# Altium PCB xialeste.PcbDoc (part 1 of 10) (continued)
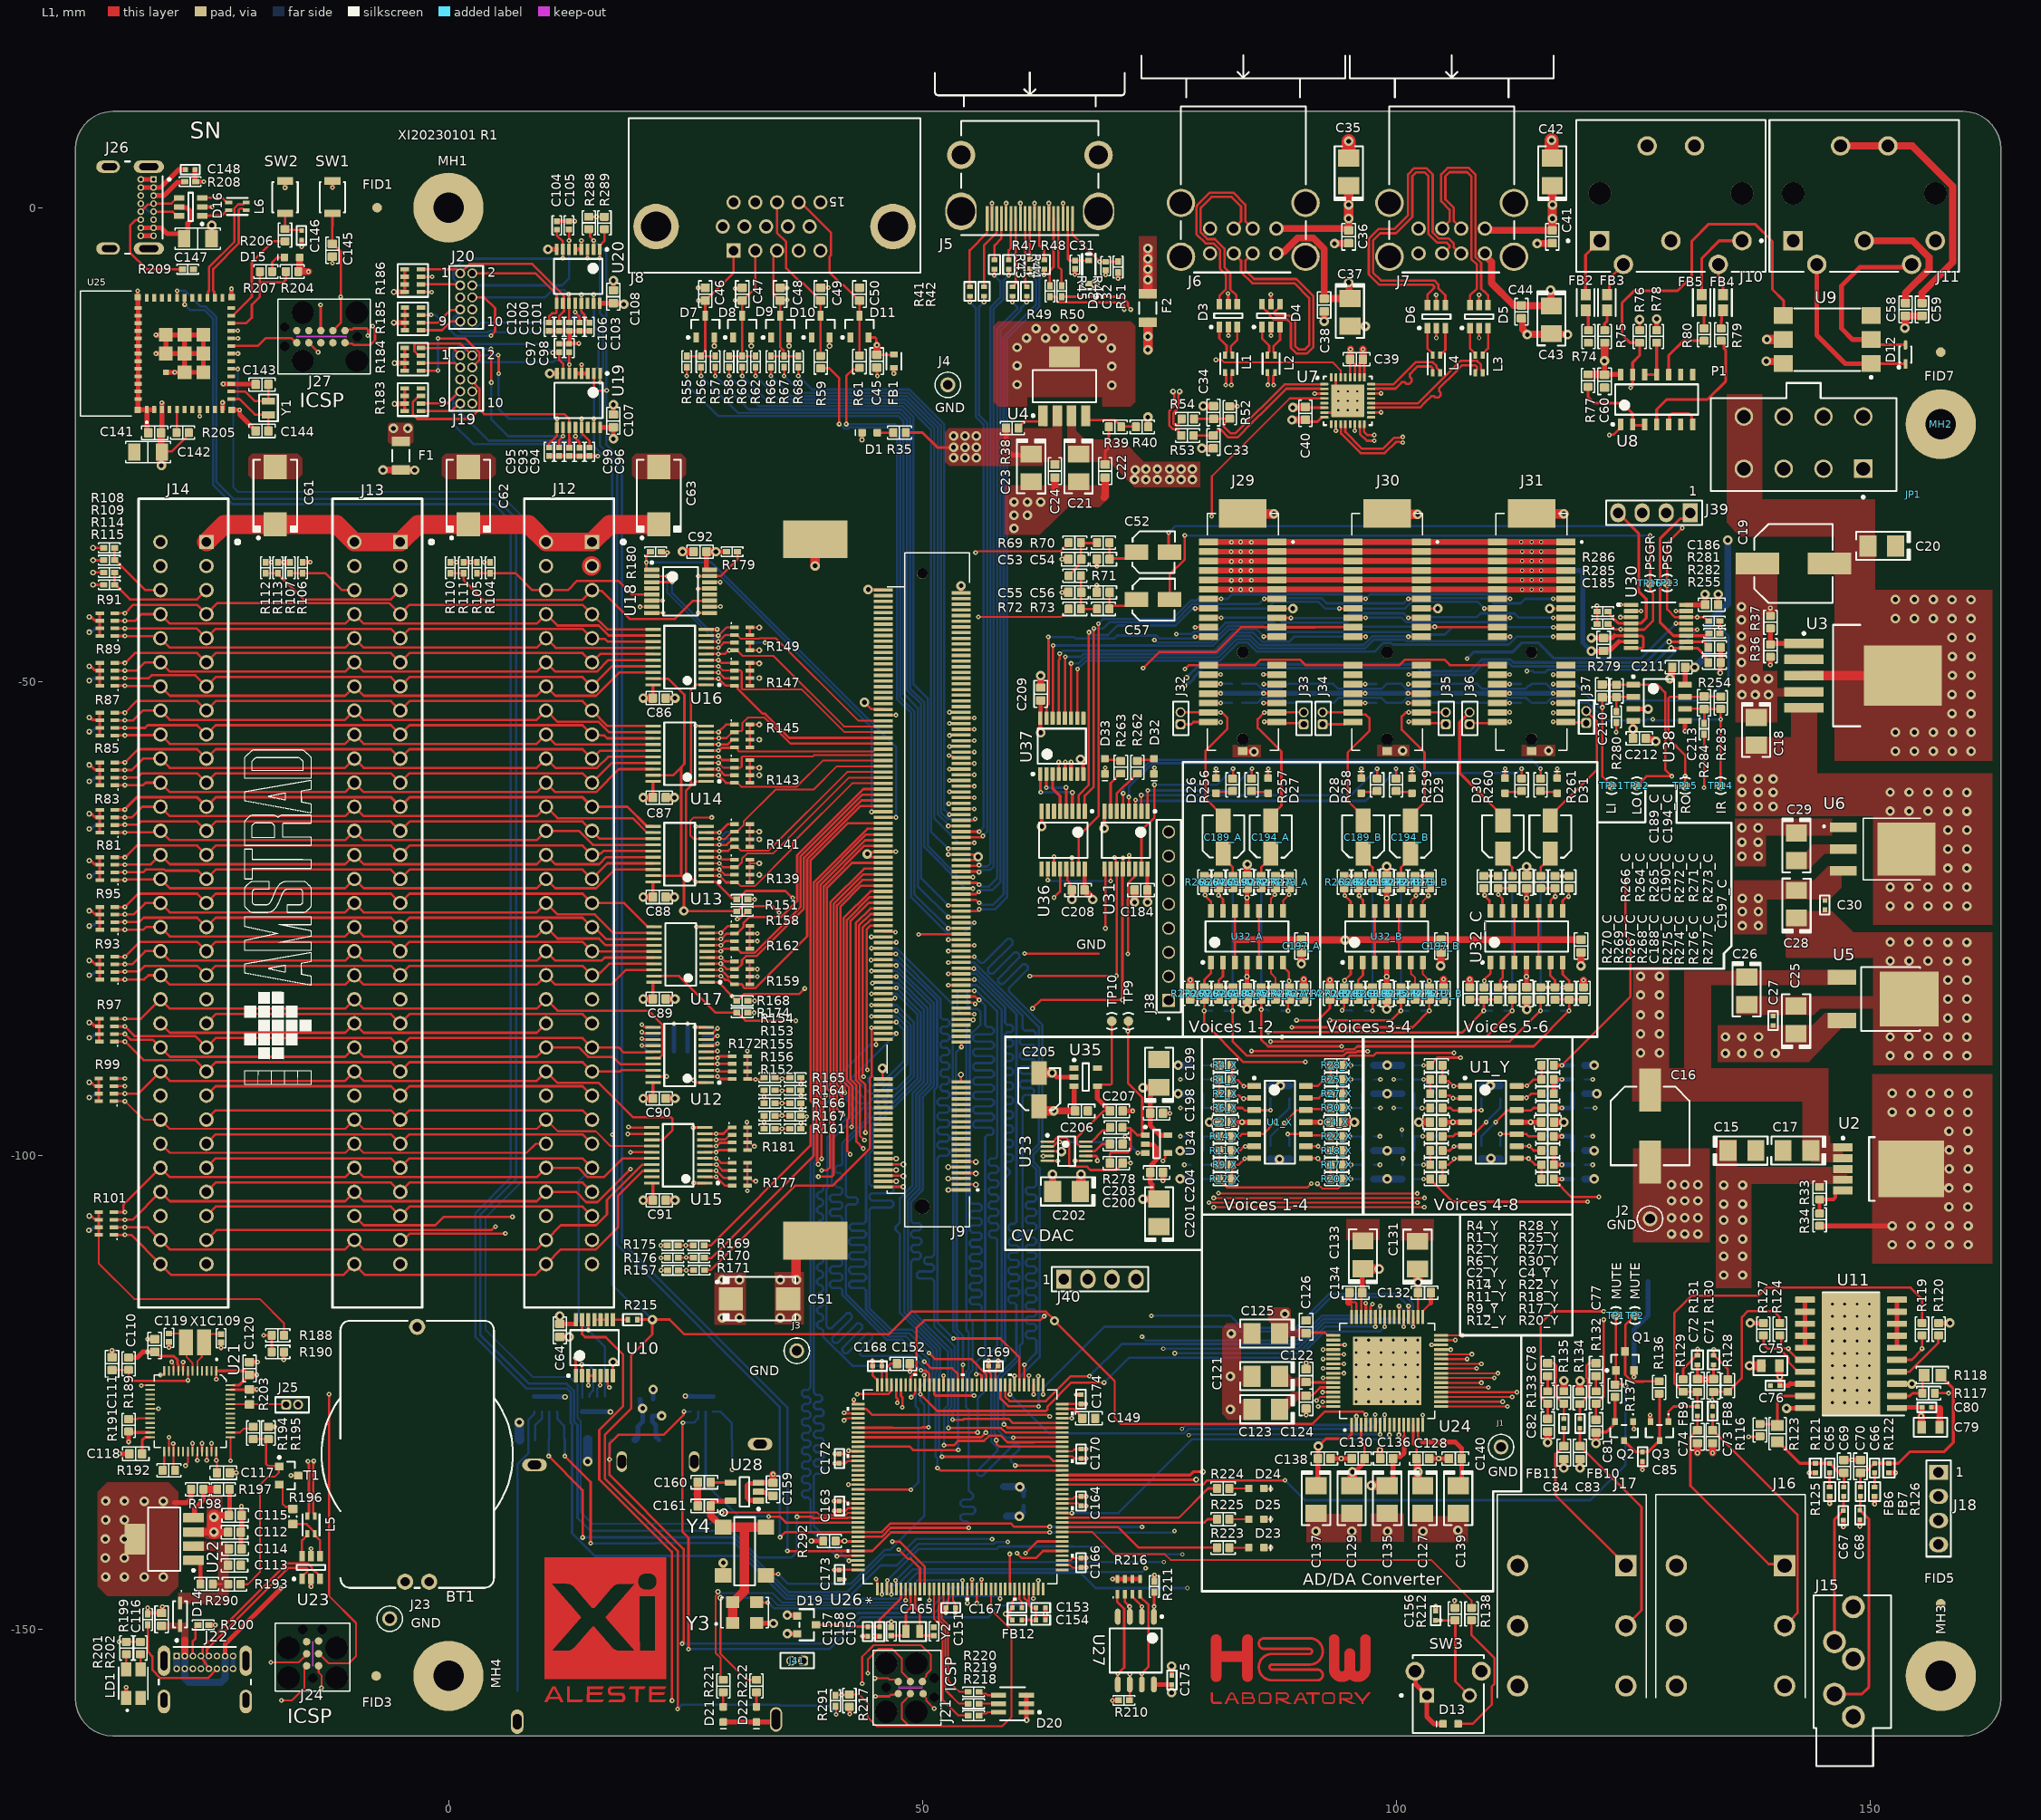
[diagram p0: L1 view]
## Design rules (kind name [scope] priority, off if disabled: settings) (continued)
RoomDefinition C_LDO_5V [InComponentClass('C_LDO_5V')] p25: confinementstyle=ConfineIn formatcopy=TRUE lockcomponents=FALSE outline 140.117,-85.204 140.117,-83.496 142.825,-83.496 142.825,-85.204
RoutingVias [All] p1: holewidth=0.2 width=0.45 viastyle="Through Hole" minholewidth=0.2 minwidth=0.45 maxholewidth=0.5 maxwidth=1
SilkToSilkClearance Silk2SilkClearance [All] p1 off: silktosilkclearance=0.15
SilkToSolderMaskClearance Silk2SolderMaskClearance [IsPad] p1 off: minsilkscreentomaskgap=0.15 clearancetoexposedcopper=TRUE
SolderMaskExpansion SolderMaskExpansion-1 [All] p1: expansion=0.05 istentingtop=FALSE // Standart
SolderMaskExpansion "SolderMaskExpansion LDI" [All] p2: expansion=0.025 istentingtop=FALSE // Advance
UnRoutedNet [All] p1: checkbadconnections=TRUE
Width DiffPair_DIFF100Width [InDifferentialPairClass('DIFF100')] p1: maxlimit=0.25 minlimit=0.2 preferedwidth=0.25 toplayer_minwidth=0.25 midlayer1_maxwidth=0.2 midlayer1_prefwidth=0.2 midlayer2_minwidth=0.25 midlayer3_maxwidth=0.2 midlayer3_prefwidth=0.2 midlayer4_maxwidth=0.2 midlayer4_prefwidth=0.2 bottomlayer_minwidth=0.25 minimp=50.000000 maximp=50.000000 favimp=50.000000
Width DiffPair_DIFF90Width [InDifferentialPairClass('DIFF90')] p2: maxlimit=0.25 minlimit=0.2 preferedwidth=0.25 toplayer_minwidth=0.25 midlayer1_maxwidth=0.2 midlayer1_prefwidth=0.2 midlayer2_minwidth=0.25 midlayer3_maxwidth=0.2 midlayer3_prefwidth=0.2 midlayer4_maxwidth=0.2 midlayer4_prefwidth=0.2 bottomlayer_minwidth=0.25 minimp=50.000000 maximp=50.000000 favimp=50.000000
Width "Width Power" [InNet('+12V') OR InNet('-12V') OR InNet('+5V') OR InNet('+3V3') OR InNet('+2V5') OR InNet('+11VA') OR InNet('-11VA') OR InNet('+5VA') OR InNet('-5VA')] p3: maxlimit=4 minlimit=0.2 preferedwidth=0.4
Width "Width Ground" [InNet('GND') Or InNet('AGND')] p4: maxlimit=40 minlimit=0.2 preferedwidth=0.4
Width [All] p5: maxlimit=2 minlimit=0.2 preferedwidth=0.25
18 further rules are at their usual default settings.

## Classes and differential pairs
net class CVnEN[1..6]: CVnEN1 CVnEN2 CVnEN3 CVnEN4 CVnEN5 CVnEN6
net class POWER: +3V3 +5V +5VA +11VA +12V -5VA -11VA -12V
net class uSPI2: SPI2_MOSI SPI2_nCS SPI2_SCK
net class uSPI1: SPI1_MOSI SPI1_nCS SPI1_SCK
net class uSAI2: SAI2_FS_A SAI2_SCK_A SAI2_SD_A SAI2_SD_B
net class uSAI1: I2S_LR I2S_SCL MCLK SAI1_SD_A SAI1_SD_B
net class uI2C2: DDC_CLK DDC_DAT
net class uI2C1: I2C1_SCL I2C1_SDA
net class uARMSWD: J_CLK J_DIO J_RST J_SWO
net class R[0..3]: R1 R2 R3
net class uQSPI: QSPI_BK_IO0 QSPI_BK_IO1 QSPI_BK_IO2 QSPI_BK_IO3 QSPI_BK_NCS QSPI_CLK
channel class dac_filter_v3: X Y
channel class adc_amp: A B C
component class Y: C1_Y C2_Y C3_Y C4_Y C5_Y C6_Y C7_Y C8_Y C9_Y C10_Y C11_Y C12_Y C13_Y C14_Y R1_Y R2_Y R3_Y R4_Y R5_Y R6_Y R7_Y R8_Y R9_Y R10_Y R11_Y R12_Y R13_Y R14_Y R15_Y R16_Y R17_Y R18_Y R19_Y R20_Y R21_Y R22_Y R23_Y R24_Y R25_Y R26_Y R27_Y R28_Y R29_Y R30_Y R31_Y R32_Y U1_Y
component class X: C1_X C2_X C3_X C4_X C5_X C6_X C7_X C8_X C9_X C10_X C11_X C12_X C13_X C14_X R1_X R2_X R3_X R4_X R5_X R6_X R7_X R8_X R9_X R10_X R11_X R12_X R13_X R14_X R15_X R16_X R17_X R18_X R19_X R20_X R21_X R22_X R23_X R24_X R25_X R26_X R27_X R28_X R29_X R30_X R31_X R32_X U1_X
component class C: C187_C C188_C C189_C C190_C C191_C C192_C C193_C C194_C C195_C C196_C C197_C R264_C R265_C R266_C R267_C R268_C R269_C R270_C R271_C R272_C R273_C R274_C R275_C R276_C R277_C U32_C
component class B: C187_B C188_B C189_B C190_B C191_B C192_B C193_B C194_B C195_B C196_B C197_B R264_B R265_B R266_B R267_B R268_B R269_B R270_B R271_B R272_B R273_B R274_B R275_B R276_B R277_B U32_B
component class A: C187_A C188_A C189_A C190_A C191_A C192_A C193_A C194_A C195_A C196_A C197_A R264_A R265_A R266_A R267_A R268_A R269_A R270_A R271_A R272_A R273_A R274_A R275_A R276_A R277_A U32_A
component class C_LDO_3.3V: C22 C23 C24 R39 U4
net class FMC_DA[0..15]: FMC_DA0 FMC_DA1 FMC_DA2 FMC_DA3 FMC_DA4 FMC_DA5 FMC_DA6 FMC_DA7 FMC_DA8 FMC_DA9 FMC_DA10 FMC_DA11 FMC_DA12 FMC_DA13 FMC_DA14 FMC_DA15
net class CVA[0..2]: CVA0 CVA1 CVA2
component class C_LDO_2.5V: C21 R38 R40 R198 R290 U22
net class BD[0..7]: BD0 BD1 BD2 BD3 BD4 BD5 BD6 BD7
net class BA[0..15]: BA0 BA1 BA2 BA3 BA4 BA5 BA6 BA7 BA8 BA9 BA10 BA11 BA12 BA13 BA14 BA15
net class DIFF90: C_STUSB_D_N C_STUSB_D_P ESP_D_CON2_N ESP_D_CON2_P ESP_D_CON_N ESP_D_CON_P S_STUSB_D_N S_STUSB_D_P STUSB_D_N STUSB_D_P USB_FS_N USB_FS_P USBD0__N USBD0__P USBD1_CON1_N USBD1_CON1_P USBD1_CON_N USBD1_CON_P USBD1_N USBD1_P USBD2_CON1_N USBD2_CON1_P USBD2_CON_N USBD2_CON_P USBD2_N USBD2_P USBD3_CON1_N USBD3_CON1_P USBD3_CON_N USBD3_CON_P USBD3_N USBD3_P USBD4_CON1_N USBD4_CON1_P USBD4_CON_N USBD4_CON_P USBD4_N USBD4_P
net class DIFF100: CON_HDIM_CK_N CON_HDIM_CK_P CON_HDIM_D0_N CON_HDIM_D0_P CON_HDIM_D1_N CON_HDIM_D1_P CON_HDIM_D2_N CON_HDIM_D2_P HDMI_CK_N HDMI_CK_P HDMI_D0_N HDMI_D0_P HDMI_D1_N HDMI_D1_P HDMI_D2_N HDMI_D2_P
net class HDMI: CON_HDIM_CK_N CON_HDIM_CK_P CON_HDIM_D0_N CON_HDIM_D0_P CON_HDIM_D1_N CON_HDIM_D1_P CON_HDIM_D2_N CON_HDIM_D2_P DDC_CLK DDC_CLK_CON DDC_DAT DDC_DAT_CON HDMI_CK_N HDMI_CK_P HDMI_D0_N HDMI_D0_P HDMI_D1_N HDMI_D1_P HDMI_D2_N HDMI_D2_P
net class USB1: USBD1_CON1_N USBD1_CON1_P USBD1_CON_N USBD1_CON_P USBD1_N USBD1_P
net class USB2: USBD2_CON1_N USBD2_CON1_P USBD2_CON_N USBD2_CON_P USBD2_N USBD2_P
net class USB3: USBD3_CON1_N USBD3_CON1_P USBD3_CON_N USBD3_CON_P USBD3_N USBD3_P
net class USB4: USBD4_CON1_N USBD4_CON1_P USBD4_CON_N USBD4_CON_P USBD4_N USBD4_P
net class G[0..3]: G1 G2 G3
net class D[0..7]: D0 D1 D2 D3 D4 D5 D6 D7 N000-14_0 N000-14_1 N000-14_2 N000-14_3 N000-14_4 N000-14_5 N000-14_6 N000-14_7
net class A[0..23]: A0 A1 A2 A3 A4 A5 A6 A7 A8 A9 A10 A11 A12 A13 A14 A15 A16 A17 A18 A19 A20 A21 A22 A23
net class cESP_USB_CON: ESP_D_CON_N ESP_D_CON_P
net class cESP_USB: ESP_D_N ESP_D_P
component class U_MIDI: C58 C59 C60 D12 FB2 FB3 FB4 FB5 J10 J11 R74 R75 R76 R77 R78 R79 R80 U8 U9
component class U_VOICES: C184 C185 C186 D26 D27 D28 D29 D30 D31 D32 D33 J29 J30 J31 J32 J33 J34 J35 J36 J37 J38 J39 R242 R243 R244 R245 R246 R247 R248 R249 R250 R251 R252 R253 R254 R255 R256 R257 R258 R259 R260 R261 R262 R263 U30 U31
component class U_EXPANSION_BUS: C61 C62 C63 C64 C156 J12 J13 J14 R81 R82 R83 R84 R85 R86 R87 R88 R89 R90 R91 R92 R93 R94 R95 R96 R97 R98 R99 R100 R101 R102 R103 R104 R105 R106 R107 R108 R109 R110 R111 R112 R113 R114 R115 R212 R215 SW3 U10
component class U_EXPANSION_DRIVERS: C86 C87 C88 C89 C90 C91 C92 R139 R140 R141 R142 R143 R144 R145 R146 R147 R148 R149 R150 R151 R152 R153 R154 R155 R156 R157 R158 R159 R160 R161 R162 R163 R164 R165 R166 R167 R168 R169 R170 R171 R172 R173 R174 R175 R176 R177 R178 R179 R180 R181 R182 R187 R287 U12 U13 U14 U15 U16 U17 U18
component class U_HDMI: C31 C32 D2 J5 R41 R42 R43 R44 R45 R46 R47 R48 R49 R50 R51
component class U_USB_HUB: C33 C34 C35 C36 C37 C38 C39 C40 C41 C42 C43 C44 D3 D4 D5 D6 J6 J7 L1 L2 L3 L4 R52 R53 R54 U7
component class U_AUDIO_CONNECTORS: C65 C66 C67 C68 C69 C70 C71 C72 C73 C74 C75 C76 C77 C78 C79 C80 C81 C82 C83 C84 C85 D13 FB6 FB7 FB8 FB9 FB10 FB11 J15 J16 J17 J18 Q1 Q2 Q3 R116 R117 R118 R119 R120 R121 R122 R123 R124 R125 R126 R127 R128 R129 R130 R131 R132 R133 R134 R135 R136 R137 R138 TP1 TP2 U11
component class U_MCU: BT1 C149 C150 C151 C152 C153 C154 C155 C157 C158 C159 C160 C161 C162 C163 C164 C165 C166 C167 C168 C169 C170 C171 C172 C173 C174 C175 D19 D20 D21 D22 D23 D24 D25 FB12 FB13 J21 J28 J41 R210 R211 R213 R214 R216 R217 R218 R219 R220 R221 R222 R223 R224 R225 R291 R292 U26 U27 U28 Y2 Y3 Y4
component class C_LDO_5V: C27 C30 C65 C66 C76 C80 C85 C146 C148 C154 C155 C156 C157 C163 C164 C165 C166 C167 C168 C169 C170 C171 C172 C173 C174 C175
component class U_ADDA: C121 C122 C123 C124 C125 C126 C127 C128 C129 C130 C131 C132 C133 C134 C135 C136 C137 C138 C139 C140 U24
component class U_MIX: C210 C211 C212 C213 R279 R280 R281 R282 R283 R284 R285 R286 TP11 TP12 TP13 TP14 TP15 TP16 U38
component class U_STLINK: C109 C110 C111 C112 C113 C114 C115 C116 C117 C118 C119 C120 D14 J22 J23 J24 J25 L5 LD1 R188 R189 R190 R191 R192 R193 R194 R195 R196 R197 R198 R199 R200 R201 R202 R203 R290 T1 U21 U22 U23 X X1
component class U_CVDAC: C198 C199 C200 C201 C202 C203 C204 C205 C206 C207 C208 C209 J40 R278 TP9 TP10 U33 U34 U35 U36 U37
net class DAC[1..6]: DAC1 DAC2 DAC3 DAC4 DAC5 DAC6
net class VIN[1..6]: VIN1 VIN2 VIN3 VIN4 VIN5 VIN6
component class U_WIFI: C141 C142 C143 C144 C145 C146 C147 C148 D15 D16 J26 J27 L6 R204 R205 R206 R207 R208 R209 SW1 SW2 U25 Y1
component class U_JOYSTICKS: C93 C94 C95 C96 C97 C98 C99 C100 C101 C102 C103 C104 C105 C106 C107 C108 J19 J20 R183 R184 R185 R186 R288 R289 U19 U20
component class U_VGA: C45 C46 C47 C48 C49 C50 D7 D8 D9 D10 D11 FB1 J8 R55 R56 R57 R58 R59 R60 R61 R62 R63 R64 R65 R66 R67 R68
component class C_UHUB: U7
net class uFMC: FMC_DA0 FMC_DA1 FMC_DA2 FMC_DA3 FMC_DA4 FMC_DA5 FMC_DA6 FMC_DA7 FMC_DA8 FMC_DA9 FMC_DA10 FMC_DA11 FMC_DA12 FMC_DA13 FMC_DA14 FMC_DA15 FMC_NBL0 FMC_NBL1 FMC_NE1 FMC_NE2 FMC_NE3 FMC_NE4 FMC_NL FMC_NOE FMC_NWAIT FMC_NWE
net class STLINK: C_STUSB_D_N C_STUSB_D_P
net class USB0: S_STUSB_D_N S_STUSB_D_P STUSB_D_N STUSB_D_P USB_FS_N USB_FS_P USBD0__N USBD0__P
net class uSD: SD_CD SD_WP SDMMC2_CLK SDMMC2_CMD SDMMC2_D0 SDMMC2_D1 SDMMC2_D2 SDMMC2_D3
component class U_FPGA: C51 C52 C53 C54 C55 C56 C57 J9 R69 R70 R71 R72 R73
net class B[0..3]: B1 B2 B3
differential pair class DIFF90: C_STUSB_D ESP_D ESP_D_CON ESP_D_CON2 S_STUSB_D STUSB_D USB_FS USBD0_ USBD1 USBD1_CON USBD1_CON1 USBD2 USBD2_CON USBD2_CON1 USBD3 USBD3_CON USBD3_CON1 USBD4 USBD4_CON USBD4_CON1
differential pair USBD3_CON1: +USBD3_CON1_P -USBD3_CON1_N
differential pair CON_HDIM_D2: +CON_HDIM_D2_P -CON_HDIM_D2_N
differential pair CON_HDIM_D1: +CON_HDIM_D1_P -CON_HDIM_D1_N
differential pair CON_HDIM_D0: +CON_HDIM_D0_P -CON_HDIM_D0_N
differential pair CON_HDIM_CK: +CON_HDIM_CK_P -CON_HDIM_CK_N
differential pair USB_FS: +USB_FS_P -USB_FS_N
differential pair HDMI_D0: +HDMI_D0_P -HDMI_D0_N
differential pair HDMI_D1: +HDMI_D1_P -HDMI_D1_N
differential pair HDMI_D2: +HDMI_D2_P -HDMI_D2_N
differential pair ESP_D_CON: +ESP_D_CON_P -ESP_D_CON_N
differential pair ESP_D: +ESP_D_P -ESP_D_N
differential pair HDMI_CK: +HDMI_CK_P -HDMI_CK_N
differential pair USBD1_CON: +USBD1_CON_P -USBD1_CON_N
differential pair USBD2_CON: +USBD2_CON_P -USBD2_CON_N
differential pair USBD3_CON: +USBD3_CON_P -USBD3_CON_N
differential pair USBD4_CON: +USBD4_CON_P -USBD4_CON_N
differential pair ESP_D_CON2: +ESP_D_CON2_P -ESP_D_CON2_N
differential pair USBD0_: +USBD0__P -USBD0__N
differential pair USBD1: +USBD1_P -USBD1_N
differential pair USBD2: +USBD2_P -USBD2_N
differential pair USBD3: +USBD3_P -USBD3_N
differential pair USBD4: +USBD4_P -USBD4_N
differential pair C_STUSB_D: +C_STUSB_D_P -C_STUSB_D_N
differential pair S_STUSB_D: +S_STUSB_D_P -S_STUSB_D_N
differential pair STUSB_D: +STUSB_D_P -STUSB_D_N
differential pair USBD1_CON1: +USBD1_CON1_P -USBD1_CON1_N
differential pair USBD2_CON1: +USBD2_CON1_P -USBD2_CON1_N
differential pair USBD4_CON1: +USBD4_CON1_P -USBD4_CON1_N

## Components (designator, comment, footprint, x,y, rotation, side; value= is the part's Value field where it differs from the comment)
BT1 "BA2032" BA2032 -3.3,-118.1 r270 top locked
C1_X "330 pF" "CAP 0603_1608" 85.015,-93.334 r90 bottom (schematic designator C1)
C1_Y "330 pF" "CAP 0603_1608" 107.265,-93.334 r90 bottom (schematic designator C1)
C2_X "0.1 µF" "CAP 0603_1608" 82,-96.5 r180 top (schematic designator C2)
C2_Y "0.1 µF" "CAP 0603_1608" 104.25,-96.5 r180 top (schematic designator C2)
C3_X "1500 pF" "CAP 0805_2012" 82,-94.25 r270 bottom (schematic designator C3)
C3_Y "1500 pF" "CAP 0805_2012" 104.25,-94.25 r270 bottom (schematic designator C3)
C4_X "0.1 µF" "CAP 0603_1608" 93.75,-96.5 r0 top (schematic designator C4)
C4_Y "0.1 µF" "CAP 0603_1608" 116,-96.5 r0 top (schematic designator C4)
C5_X "330 pF" "CAP 0603_1608" 86.765,-93.334 r270 bottom (schematic designator C5)
C5_Y "330 pF" "CAP 0603_1608" 109.015,-93.334 r270 bottom (schematic designator C5)
C6_X "330 pF" "CAP 0603_1608" 85,-99.668 r270 bottom (schematic designator C6)
C6_Y "330 pF" "CAP 0603_1608" 107.25,-99.668 r270 bottom (schematic designator C6)
C7_X "1500 pF" "CAP 0805_2012" 82,-98.75 r90 bottom (schematic designator C7)
C7_Y "1500 pF" "CAP 0805_2012" 104.25,-98.75 r90 bottom (schematic designator C7)
C8_X "330 pF" "CAP 0603_1608" 88.765,-93.334 r270 bottom (schematic designator C8)
C8_Y "330 pF" "CAP 0603_1608" 111.015,-93.334 r270 bottom (schematic designator C8)
C9_X "330 pF" "CAP 0603_1608" 90.5,-99.668 r270 bottom (schematic designator C9)
C9_Y "330 pF" "CAP 0603_1608" 112.75,-99.668 r270 bottom (schematic designator C9)
C10_X "1500 pF" "CAP 0805_2012" 93.75,-98.75 r90 bottom (schematic designator C10)
C10_Y "1500 pF" "CAP 0805_2012" 116,-98.75 r90 bottom (schematic designator C10)
C11_X "330 pF" "CAP 0603_1608" 88.75,-99.668 r90 bottom (schematic designator C11)
C11_Y "330 pF" "CAP 0603_1608" 111,-99.668 r90 bottom (schematic designator C11)
C12_X "330 pF" "CAP 0603_1608" 90.515,-93.334 r90 bottom (schematic designator C12)
C12_Y "330 pF" "CAP 0603_1608" 112.765,-93.334 r90 bottom (schematic designator C12)
C13_X "1500 pF" "CAP 0805_2012" 93.75,-94.25 r270 bottom (schematic designator C13)
C13_Y "1500 pF" "CAP 0805_2012" 116,-94.5 r270 bottom (schematic designator C13)
C14_X "330 pF" "CAP 0603_1608" 86.75,-99.668 r90 bottom (schematic designator C14)
C14_Y "330 pF" "CAP 0603_1608" 109,-99.668 r90 bottom (schematic designator C14)
C15 "2.2 µF" "CAP POL 1411_3528" 136.5,-99.5 r0 top
C16 "47µF" "CAP ALSMD 8.3MM H10.5MM" 126.8,-96.9 r270 top locked
C17 "2.2 µF" "CAP POL 1411_3528" 142.3,-99.5 r180 top
C18 "2.2 µF" "CAP POL 1411_3528" 138,-55.26 r270 top
C19 "47µF" "CAP ALSMD 8.3MM H10.5MM" 141.93,-37.55 r0 top
C20 "2.2 µF" "CAP POL 1411_3528" 151.26,-35.7 r180 top
C21 "22 µF" "CAP POL 1411_3528" 66.5,-27.46 r270 top
C22 "0.1 µF" "CAP 0603_1608" 69.3,-27.8 r90 top
C23 "10 µF" "CAP POL 1411_3528" 61.5,-27.46 r270 top
C24 "10000 pF" "CAP 0603_1608" 64,-27.8 r90 top
C25 "2.2 µF" "CAP POL 1411_3528" 142.2,-85.7 r90 top
C26 "2.2 µF" "CAP POL 1411_3528" 137,-82.64 r270 top
C27 "100n" C0402 139.775,-85.8 r90 top value=100nF
C28 "2.2 µF" "CAP POL 1411_3528" 142.25,-73.5 r90 top
C29 "2.2 µF" "CAP POL 1411_3528" 142.25,-67.46 r270 top
C30 "100n" C0402 145.249,-73.6 r270 top value=100nF
C31 "0.1 µF" "CAP 0402_1005" 66.111,-6.026 r90 top
C32 "0.1 µF" "CAP 0402_1005" 69.361,-6.156 r90 top
C33 "100 pF" "CAP 0603_1608" 80.716,-24.728 r90 top
C34 "100 pF" "CAP 0603_1608" 80.737,-21.622 r270 top
C35 "100 µF" "CAP POL 1411_3528" 94.991,3.768 r90 top
C36 "0.1 µF" "CAP 0603_1608" 94.995,-3.075 r90 top
C37 "100 µF" "CAP POL 1411_3528" 95.136,-11.05 r270 top
C38 "0.1 µF" "CAP 0603_1608" 92.41,-10.278 r90 top
C39 "0.1 µF" "CAP 0603_1608" 95.825,-16 r0 top
C40 "0.1 µF" "CAP 0603_1608" 90.431,-21.708 r90 top
C41 "0.1 µF" "CAP 0603_1608" 116.48,-3.075 r90 top
C42 "100 µF" "CAP POL 1411_3528" 116.48,3.768 r90 top
C43 "100 µF" "CAP POL 1411_3528" 116.393,-11.836 r270 top
C44 "0.1 µF" "CAP 0603_1608" 113.221,-10.989 r90 top
C45 "0.1 µF" "CAP 0603_1608" 45.2,-16.2 r90 top
C46 "5.1pF" "CAP 0603_1608" 27.1,-9.125 r270 top
C47 "5.1pF" "CAP 0603_1608" 31,-9.125 r270 top
C48 "5.1pF" "CAP 0603_1608" 35,-9.125 r270 top
C49 "5.1pF" "CAP 0603_1608" 39.275,-9.125 r270 top
C50 "5.1pF" "CAP 0603_1608" 43.375,-9.125 r270 top
C51 "330 µF" "CAP POL 2917_7343" 32.812,-115.137 r0 top locked
C52 "10µF" "CAP ALSMD POLY 4.3MM H5.5MM" 74.35,-36.35 r0 top
C53 "10000 pF" "CAP 0603_1608" 66.1,-37.1 r0 top
C54 "10000 pF" "CAP 0603_1608" 69.1,-37.1 r0 top
C55 "10000 pF" "CAP 0603_1608" 66.1,-40.6 r180 top
C56 "10000 pF" "CAP 0603_1608" 69.1,-40.6 r180 top
C57 "10µF" "CAP ALSMD POLY 4.3MM H5.5MM" 74.35,-41.35 r0 top locked
C58 "0.1 µF" "CAP 0603_1608" 153.75,-10.75 r270 top
C59 "0.1 µF" "CAP 0603_1608" 155.5,-10.75 r270 top
C60 "0.1 µF" "CAP 0603_1608" 122,-18.325 r90 top
C61 "330 µF" "CAP POL 2917_7343" -18.28,-30.4 r90 top
C62 "330 µF" "CAP POL 2917_7343" 2.1,-30.4 r90 top
C63 "330 µF" "CAP POL 2917_7343" 22.2,-30.4 r90 top
C64 "0.1 µF" "CAP 0603_1608" 11.75,-118.475 r270 top
C65 "100n" C0402 145.75,-133 r270 top value=100nF
C66 "100n" C0402 150.5,-133 r270 top value=100nF
C67 "270pF" C0402 147.2,-138 r270 top
C68 "270pF" C0402 148.944,-137.956 r270 top
C69 "100 pF" "CAP 0603_1608" 147.25,-132.825 r270 top
C70 "100 pF" "CAP 0603_1608" 149,-132.825 r270 top
C71 "2700 pF" "CAP 0603_1608" 133.5,-124.3 r270 top
C72 "2700 pF" "CAP 0603_1608" 131.8,-124.3 r270 top
C73 "270 pF" "CAP 0603_1608" 133.4,-129.7 r90 top
C74 "270 pF" "CAP 0603_1608" 131.8,-129.7 r90 top
C75 "22u" C0805 139.5,-122.2 r180 top
C76 "100n" C0402 140,-124.3 r180 top value=100nF
C77 "1µF" "CAP 0603_1608" 121.1,-122.625 r270 top
C78 "1µF" "CAP 0603_1608" 116,-122.625 r270 top
C79 "22u" C0805 156.4,-128.7 r180 top
C80 "100n" C0402 156,-126.6 r180 top value=100nF
C81 "2700 pF" "CAP 0603_1608" 121.1,-128.575 r90 top
C82 "2700 pF" "CAP 0603_1608" 116,-128.475 r90 top
C83 "270 pF" "CAP 0603_1608" 119.4,-131.375 r90 top
C84 "270 pF" "CAP 0603_1608" 117.7,-131.375 r90 top
C85 "100n" C0402 126,-131.8 r90 top value=100nF
C86 "0.1 µF" "CAP 0603_1608" 22.25,-51.75 r0 top
C87 "0.1 µF" "CAP 0603_1608" 22.25,-62.25 r0 top
C88 "0.1 µF" "CAP 0603_1608" 22.25,-72.75 r0 top
C89 "0.1 µF" "CAP 0603_1608" 22.25,-83.5 r0 top
C90 "0.1 µF" "CAP 0603_1608" 22.25,-94 r0 top
C91 "0.1 µF" "CAP 0603_1608" 22.25,-104.75 r0 top
C92 "0.1 µF" "CAP 0603_1608" 26.55,-36.309 r180 top
C93 "1000 pF" "CAP 0402_1005" 11.692,-25.762 r90 top
C94 "1000 pF" "CAP 0402_1005" 12.759,-25.77 r90 top
C95 "1000 pF" "CAP 0402_1005" 10.618,-25.762 r90 top
C96 "1000 pF" "CAP 0402_1005" 14.897,-25.765 r90 top
C97 "1000 pF" "CAP 0402_1005" 11.682,-14.812 r270 top
C98 "1000 pF" "CAP 0402_1005" 12.741,-14.813 r270 top
C99 "1000 pF" "CAP 0402_1005" 13.828,-25.772 r90 top
C100 "1000 pF" "CAP 0402_1005" 11.681,-12.567 r90 top
C101 "1000 pF" "CAP 0402_1005" 12.758,-12.567 r90 top
C102 "1000 pF" "CAP 0402_1005" 10.616,-12.565 r90 top
C103 "1000 pF" "CAP 0402_1005" 14.883,-12.577 r90 top
C104 "1000 pF" "CAP 0402_1005" 11.44,-1.878 r270 top
C105 "1000 pF" "CAP 0402_1005" 12.715,-1.87 r270 top
C106 "1000 pF" "CAP 0402_1005" 13.825,-12.567 r90 top
C107 "0.1 µF" "CAP 0603_1608" 17.4,-22.5 r270 top
C108 "0.1 µF" "CAP 0603_1608" 17.4,-9.4 r270 top
C109 "18 pF" "CAP 0402_1005" -24,-119.31 r270 top
C110 "18 pF" "CAP 0402_1005" -29.5,-119.25 r270 top
C111 "0.1 µF" "CAP 0603_1608" -35.5,-122 r90 top
C112 "0.1 µF" "CAP 0603_1608" -22.575,-139.775 r180 top
C113 "1µF" "CAP 0603_1608" -22.575,-143.275 r180 top
C114 "0.1 µF" "CAP 0603_1608" -22.5,-141.525 r180 top
C115 "1µF" "CAP 0603_1608" -22.5,-138 r0 top
C116 "0.1 µF" "CAP 0603_1608" -30.275,-148.976 r270 top
C117 "0.1 µF" "CAP 0603_1608" -23.75,-133.5 r180 top
C118 "0.1 µF" "CAP 0603_1608" -33,-131.5 r0 top
C119 "0.1 µF" "CAP 0603_1608" -31,-120.075 r270 top
C120 "0.1 µF" "CAP 0603_1608" -21,-122.5 r270 top
C121 "2.2 µF" "CAP POL 1411_3528" 86.237,-123.311 r180 top
C122 "0.1 µF" "CAP 0603_1608" 90.5,-123.25 r90 top
C123 "2.2 µF" "CAP POL 1411_3528" 86.237,-126.811 r180 top
C124 "0.1 µF" "CAP 0603_1608" 90.5,-126.061 r270 top
C125 "2.2 µF" "CAP POL 1411_3528" 86.237,-118.811 r180 top
C126 "0.1 µF" "CAP 0603_1608" 90.5,-118.1 r90 top
C127 "2.2 µF" "CAP POL 1411_3528" 102.815,-136.336 r270 top
C128 "0.1 µF" "CAP 0603_1608" 102.825,-132 r0 top
C129 "2.2 µF" "CAP POL 1411_3528" 95.315,-136.336 r270 top
C130 "0.1 µF" "CAP 0603_1608" 96,-132 r180 top
C131 "2.2 µF" "CAP POL 1411_3528" 102.25,-110.54 r90 top
C132 "0.1 µF" "CAP 0603_1608" 103,-114.5 r0 top
C133 "2.2 µF" "CAP POL 1411_3528" 96.5,-110.5 r90 top
C134 "0.1 µF" "CAP 0603_1608" 95.75,-114.5 r180 top
C135 "2.2 µF" "CAP POL 1411_3528" 99.065,-136.336 r270 top
C136 "0.1 µF" "CAP 0603_1608" 99,-132 r180 top
C137 "2.2 µF" "CAP POL 1411_3528" 91.565,-136.336 r270 top
C138 "0.1 µF" "CAP 0603_1608" 92.425,-132 r0 top
C139 "2.2 µF" "CAP POL 1411_3528" 106.565,-136.336 r270 top
C140 "0.1 µF" "CAP 0603_1608" 106.25,-132 r180 top
C141 "0.1 µF" "CAP 0603_1608" -31,-23.757 r180 top
C142 "10 µF" "CAP 1206_3216 - 0.8MM" -31.7,-25.8 r0 top
C143 "12 pF" "CAP 0603_1608" -19.675,-18.665 r0 top
C144 "12 pF" "CAP 0603_1608" -19.675,-23.565 r0 top
C145 "1 µF" "CAP 0603_1608" -12.25,-4.5 r90 top
C146 "100n" C0402 -15.5,-2.923 r270 top value=100nF
C147 "10 µF" "CAP 1206_3216 - 0.8MM" -26.455,-3.284 r180 top
C148 "100n" C0402 -27.25,4 r0 top value=100nF
C149 "2.2 µF" "CAP 0603_1608" 67.575,-127.75 r180 top
C150 "10pF" "CAP 0402_1005" 46.725,-150.25 r270 top
C151 "10pF" "CAP 0402_1005" 51.225,-150.25 r270 top
C152 "2.2 µF" "CAP 0603_1608" 48,-122 r0 top
C153 "1u" C0402 62.5,-147.75 r0 top value=1uF
C154 "100n" C0402 62.5,-149.05 r0 top value=100nF
C155 "100n" C0402 21,-127.5 r0 bottom value=100nF
C156 "100n" C0402 104.177,-148.595 r90 top value=100nF
C157 "100n" C0402 44.25,-150.25 r270 top value=100nF
C158 "1u" C0402 45.5,-150.25 r270 top value=1uF
C159 "1µF" "CAP 0603_1608" 34.25,-135.25 r90 top
C160 "10000 pF" "CAP 0603_1608" 27,-134.5 r0 top
C161 "2.2 µF" "CAP 0603_1608" 27,-137 r0 top
C162 "10uF" C1206 58.6,-136.5 r270 bottom
C163 "100n" C0402 41.25,-137 r90 top value=100nF
C164 "100n" C0402 66.75,-136.5 r270 top value=100nF
C165 "100n" C0402 53,-147.75 r180 top value=100nF
C166 "100n" C0402 66.75,-143 r270 top value=100nF
C167 "100n" C0402 60,-147.75 r0 top value=100nF
C168 "100n" C0402 45.25,-122.25 r0 top value=100nF
C169 "100n" C0402 57.5,-122.25 r0 top value=100nF
C170 "100n" C0402 66.75,-131.5 r270 top value=100nF
C171 "100n" C0402 60.7,-136.5 r270 bottom value=100nF
C172 "100n" C0402 41.25,-132 r90 top value=100nF
C173 "100n" C0402 41.25,-144.25 r270 top locked value=100nF
C174 "100n" C0402 66.75,-125.75 r90 top value=100nF
C175 "100n" C0402 76.335,-155.361 r90 top value=100nF
C184 "0.1 µF" "CAP 0603_1608" 73.075,-72 r180 top
C185 "0.1 µF" "CAP 0603_1608" 121.9,-46.1 r90 top
C186 "0.1 µF" "CAP 0603_1608" 133.3,-41.9 r0 top
C187_A "2200 pF" "CAP 0603_1608" 80.517,-71.672 r180 bottom (schematic designator C187)
C187_B "2200 pF" "CAP 0603_1608" 95.267,-71.672 r180 bottom (schematic designator C187)
C187_C "2200 pF" "CAP 0603_1608" 110.017,-71.672 r180 bottom (schematic designator C187)
C188_A "0.1 µF" "CAP 0603_1608" 84.267,-82.922 r270 top (schematic designator C188)
C188_B "0.1 µF" "CAP 0603_1608" 99.017,-82.922 r270 top (schematic designator C188)
C188_C "0.1 µF" "CAP 0603_1608" 113.767,-82.922 r270 top (schematic designator C188)
C189_A "10µF" "CAP ALSMD POLY 4.3MM H5.5MM" 81.767,-66.422 r90 top (schematic designator C189)
C189_B "10µF" "CAP ALSMD POLY 4.3MM H5.5MM" 96.517,-66.422 r90 top (schematic designator C189)
C189_C "10µF" "CAP ALSMD POLY 4.3MM H5.5MM" 111.267,-66.422 r90 top (schematic designator C189)
C190_A "0.1 µF" "CAP 0603_1608" 84.267,-71.172 r90 top (schematic designator C190)
C190_B "0.1 µF" "CAP 0603_1608" 99.017,-71.172 r90 top (schematic designator C190)
C190_C "0.1 µF" "CAP 0603_1608" 113.767,-71.172 r90 top (schematic designator C190)
C191_A "10000 pF" "CAP 0603_1608" 81.25,-84.75 r180 bottom (schematic designator C191)
C191_B "10000 pF" "CAP 0603_1608" 96,-84.75 r180 bottom (schematic designator C191)
C191_C "10000 pF" "CAP 0603_1608" 110.75,-84.75 r180 bottom (schematic designator C191)
C192_A "22pF" "CAP 0603_1608" 81.25,-83.25 r180 bottom (schematic designator C192)
C192_B "22pF" "CAP 0603_1608" 96,-83.25 r180 bottom (schematic designator C192)
C192_C "22pF" "CAP 0603_1608" 110.75,-83.25 r180 bottom (schematic designator C192)
C193_A "2200 pF" "CAP 0603_1608" 88.017,-71.672 r0 bottom (schematic designator C193)
C193_B "2200 pF" "CAP 0603_1608" 102.767,-71.672 r0 bottom (schematic designator C193)
C193_C "2200 pF" "CAP 0603_1608" 117.517,-71.672 r0 bottom (schematic designator C193)
C194_A "10µF" "CAP ALSMD POLY 4.3MM H5.5MM" 86.767,-66.422 r90 top (schematic designator C194)
C194_B "10µF" "CAP ALSMD POLY 4.3MM H5.5MM" 101.517,-66.422 r90 top (schematic designator C194)
C194_C "10µF" "CAP ALSMD POLY 4.3MM H5.5MM" 116.267,-66.422 r90 top (schematic designator C194)
C195_A "10000 pF" "CAP 0603_1608" 87.25,-84.75 r0 bottom (schematic designator C195)
C195_B "10000 pF" "CAP 0603_1608" 102,-84.75 r0 bottom (schematic designator C195)
C195_C "10000 pF" "CAP 0603_1608" 116.75,-84.75 r0 bottom (schematic designator C195)
C196_A "22pF" "CAP 0603_1608" 87.25,-83.25 r0 bottom (schematic designator C196)
C196_B "22pF" "CAP 0603_1608" 102,-83.25 r0 bottom (schematic designator C196)
C196_C "22pF" "CAP 0603_1608" 116.75,-83.25 r0 bottom (schematic designator C196)
C197_A "0.1 µF" "CAP 0603_1608" 90.017,-77.922 r90 top (schematic designator C197)
C197_B "0.1 µF" "CAP 0603_1608" 104.767,-77.922 r90 top (schematic designator C197)
C197_C "0.1 µF" "CAP 0603_1608" 119.517,-77.922 r90 top (schematic designator C197)
C198 "0.1 µF" "CAP 0603_1608" 74.727,-95.572 r180 top
C199 "10 µF" "CAP POL 1411_3528" 74.977,-91.362 r90 top
C200 "4.7 pF" "CAP 0603_1608" 70.477,-100.822 r180 top
C201 "10 µF" "CAP POL 1411_3528" 74.977,-106.072 r90 top
C202 "10 µF" "CAP POL 1411_3528" 65.227,-103.822 r180 top
C203 "0.1 µF" "CAP 0603_1608" 70.477,-98.823 r180 top
C204 "0.1 µF" "CAP 0603_1608" 74.727,-101.822 r180 top
C205 "10µF" "CAP ALSMD POLY 4.3MM H5.5MM" 62.336,-93.084 r90 top
C206 "0.1 µF" "CAP 0603_1608" 66.802,-95.322 r180 top
C207 "0.1 µF" "CAP 0603_1608" 70.477,-95.322 r180 top
C208 "0.1 µF" "CAP 0603_1608" 66.447,-72 r0 top
C209 "0.1 µF" "CAP 0603_1608" 62.5,-51.322 r90 top
C210 "47 pF" "CAP 0603_1608" 121.75,-51 r90 top
C211 "0.1 µF" "CAP 0603_1608" 129.825,-48.5 r180 top
C212 "0.1 µF" "CAP 0603_1608" 125.675,-56 r0 top
C213 "47 pF" "CAP 0603_1608" 132.5,-52.25 r90 top
D1 "150060SS75000" 0603_A 44.45,-23.75 r0 top
D2 "BAT54HT1G" SOD323 67.561,-6.805 r270 top
D3 "USBLC6-2SC6" SOT23-6L 82.3,-11.4 r90 top
D4 "USBLC6-2SC6" SOT23-6L 86.8,-11.4 r90 top
D5 "USBLC6-2SC6" SOT23-6L 108.75,-11.5 r90 top
D6 "USBLC6-2SC6" SOT23-6L 104.25,-11.5 r90 top
D7 "BAV99" INF-SOT23_N 27.1,-12.55 r90 top
D8 "BAV99" INF-SOT23_N 31,-12.55 r90 top
D9 "BAV99" INF-SOT23_N 35,-12.55 r90 top
D10 "BAV99" INF-SOT23_N 39.275,-12.55 r90 top
D11 "BAV99" INF-SOT23_N 43.375,-12.55 r90 top
D12 "1N4148WS" FP-477AB-IPC_C 153.75,-15.5 r90 top
D13 "150060SS75000" 0603_A 105.75,-160 r0 top
D14 "BAT60JFILM" SOD-323 -28.318,-148.437 r90 top
D15 "150060SS75000" 0603_A -16.5,-5.248 r0 top
D16 "USBLC6-2SC6" SOT23-6L -27.2,0.075 r180 top
D19 "BAT54C-7-F" SOT-23-3-123 37.799,-149.543 r0 top
D20 "ASMT-YTD7-0AA02" FP-PLCC-6-MFG 59.523,-157.875 r180 top
D21 "150060SS75000" 0603_A 29,-159 r90 top
D22 "150060SS75000" 0603_A 32.5,-159 r90 top
D23 "150060SS75000" 0603_A 85.25,-141.4 r180 top
D24 "150060SS75000" 0603_A 85.25,-135.15 r180 top
D25 "150060SS75000" 0603_A 85.25,-138.4 r180 top
D26 "150060SS75000" 0603_A 81,-61 r270 top
D27 "150060SS75000" 0603_A 86.5,-61 r270 top
D28 "150060SS75000" 0603_A 96.325,-61 r270 top
D29 "150060SS75000" 0603_A 101.676,-61 r270 top
D30 "150060SS75000" 0603_A 111.5,-61 r270 top
D31 "150060SS75000" 0603_A 117,-61 r270 top
D32 "150060SS75000" 0603_A 74.45,-58.955 r90 top
D33 "150060SS75000" 0603_A 69.275,-58.955 r90 top
F1 "0ZCJ0020FF2E" FP-0ZCJ-MFG -5.025,-26.175 r90 top
F2 "0ZCJ0050FF2G" FP-0ZCJ0050FF2G-MFG 73.8,-10.6 r90 top
FB1 "MPZ1608S601ATA00" FP-MPZ1608-0_8-MFG 47,-16.2 r270 top
FB2 "MMZ1608Y102BTA00" FP-MMZ1608-0_8-IPC_A 120,-10 r90 top
FB3 "MMZ1608Y102BTA00" FP-MMZ1608-0_8-IPC_A 122.25,-10 r90 top
FB4 "MMZ1608Y102BTA00" FP-MMZ1608-0_8-IPC_A 134.5,-10 r90 top
FB5 "MMZ1608Y102BTA00" FP-MMZ1608-0_8-IPC_A 132.25,-10 r90 top
FB6 "BLM15AX601SN1D" C0402 147.25,-135.5 r270 top
FB7 "BLM15AX601SN1D" C0402 149,-135.5 r270 top
FB8 "BLM15AX601SN1D" C0402 133.4,-127 r270 top
FB9 "BLM15AX601SN1D" C0402 131.8,-127 r270 top
FB10 "BLM15AX601SN1D" C0402 119.4,-128.3 r270 top
FB11 "BLM15AX601SN1D" C0402 117.7,-128.3 r270 top
FB12 "BLM15AX601SN1D" C0402 60,-149.05 r0 top
FB13 "MPZ1608S601ATA00" FP-MPZ1608-0_8-MFG 20.9,-125.75 r180 bottom
FID1 "FID-1MMC" FID_40X120D#1 -7.52,0 r0 top
FID2 "FID-1MMC" FID_40X120D#1 -7.62,-154.94 r90 bottom
FID3 "FID-1MMC" FID_40X120D#1 -7.62,-154.94 r90 top
FID4 "FID-1MMC" FID_40X120D#2 157.48,-15.24 r90 bottom
FID5 "FID-1MMC" FID_40X120D#1 157.48,-147.32 r90 top locked
FID6 "FID-1MMC" FID_40X120D#3 157.5,-148.25 r90 bottom
FID7 "FID-1MMC" FID_40X120D#1 157.48,-15.24 r90 top
FID8 "FID-1MMC" FID_40X120D#1 -7.52,0 r90 bottom
J1 "5001" FP-5001-MFG 111.076,-130.783 r0 top
J2 "5001" FP-5001-MFG 126.8,-106.7 r0 top
J3 "5001" FP-5001-MFG 36.757,-120.628 r0 top locked
J4 "5001" FP-5001-MFG 52.7,-18.7 r0 top
J5 "47151-0001" HDMI 61.35,2.2 r90 top
J6 "5787617-1" USB-2A 83.87,-2.34 r0 top locked
J7 "5787617-1" USB-2A 105.87,-2.34 r0 top locked
J8 "618015330923" 618015330923 34.41,1.29 r180 top
J9 "1612618-4-SINGLE-PART" TE_1612618-4 50,-72 r90 top locked
J10 "57PC5F" FP-57PC5F-MFG 129,1.25 r180 top locked
J11 "57PC5F" FP-57PC5F-MFG 149.4,1.25 r180 top locked
J12 "CON-SL62-2" SL-ISA-62 12.724,-73.38 r270 top locked
J13 "CON-SL62-2" SL-ISA-62 -7.506,-73.38 r270 top locked
J14 "CON-SL62-2" SL-ISA-62 -27.964,-73.38 r270 top locked
J15 "SJ1-3535NG" SJ1-3535NG 148.25,-159.25 r0 top locked
J16 "ACJS-MHOM" AMPHENOL_ACJS-MHOM 135.285,-149.65 r270 top locked
J17 "ACJS-MHOM" AMPHENOL_ACJS-MHOM 118.535,-149.65 r270 top locked
J18 "HDR 1x4" HDR_VERT_1X4_2.54MM 157.25,-133.46 r0 top
J19 "62201021121" HDR-VERT-2X5-1.27MM 1.876,-18.132 r270 top
J20 "62201021121" HDR-VERT-2X5-1.27MM 1.876,-9.471 r270 top
J21 "TC2030-FP" TC2030-IDC 46.2,-156.175 r0 top
J22 "213716-0001" FP-213716-0001-MFG -25.7,-156.402 r0 top locked
J23 "5001" FP-5001-MFG -6.2,-148.9 r0 top
J24 "TC2030-FP" TC2030-IDC -14.335,-155.14 r90 top
J25 "BOOT0" HDR-VERT-1X2-1.27MM -16.5,-126.25 r270 top
J26 "213716-0001" FP-213716-0001-MFG -34.685,0 r270 top
J27 "TC2050-FP" TC2050-IDC -9.655,-13.616 r180 top locked
J28 "DM1B-DSF-PEJ(82)" HIROSE_DM1B-DSF-PEJ(82) 20.32,-131.27 r180 bottom locked
J29 "10146065-110T0LF" AMPHENOL_10146065-110T0LF 83.82,-44.78 r270 top locked
J30 "10146065-110T0LF" AMPHENOL_10146065-110T0LF 99.06,-44.78 r270 top locked
J31 "10146065-110T0LF" AMPHENOL_10146065-110T0LF 114.3,-44.78 r270 top locked
J32 "Value" HDR-VERT-1X2-1.27MM 77.19,-53.885 r0 top
J33 "Value" HDR-VERT-1X2-1.27MM 90.19,-53.885 r0 top
J34 "Value" HDR-VERT-1X2-1.27MM 92.19,-53.885 r0 top
J35 "Value" HDR-VERT-1X2-1.27MM 105.19,-53.885 r0 top
J36 "Value" HDR-VERT-1X2-1.27MM 107.69,-53.885 r0 top
J37 "Value" HDR-VERT-1X2-1.27MM 120,-53.75 r0 top
J38 "TSW-108-07-L-S" SAMTEC_TSW-108-07-L-S 76,-74.77 r90 top
J39 "HDR 1x4" HDR_VERT_1X4_2.54MM 131.04,-32.2 r270 top
J40 "HDR 1x4" HDR_VERT_1X4_2.54MM 64.937,-113.072 r90 top
J41 "BOOT0" HDR-VERT-1X2-1.27MM 36.8,-153.4 r90 top
JP1 "GND" SB_0805_BURRIED 154.6,-30.25 r270 top
L1 "ACM2012-900-2P-T002" ACM2012 82.34,-16.478 r90 top
L2 "ACM2012-900-2P-T002" ACM2012 86.816,-16.478 r90 top
L3 "ACM2012-900-2P-T002" ACM2012 108.75,-16.5 r90 top
L4 "ACM2012-900-2P-T002" ACM2012 104.25,-16.5 r90 top
L5 "IND-ACM2012-900-2P-T002" ACM2012 -14.5,-139 r90 top
L6 "IND-ACM2012-900-2P-T002" ACM2012 -22.263,0.13 r180 top
LD1 "LD_BICOLOR_CMS" HSMF-A201 -33.25,-155.75 r90 top
MH1 "MH-7.4MMC-3.2MMD" MH_7.4MMD_3.2MMD 0,0 r0 top locked
MH2 "MH-7.4MMC-3.2MMD" MH_7.4MMD_3.2MMD 157.48,-22.86 r0 top locked
MH3 "MH-7.4MMC-3.2MMD" MH_7.4MMD_3.2MMD 157.48,-154.94 r0 top locked
MH4 "MH-7.4MMC-3.2MMD" MH_7.4MMD_3.2MMD 0,-154.94 r0 top locked
P1 "39-28-1083" MOLX-39-28-1083_V 143,-24.8 r180 top
Q1 "MMUN2111LT1G" ONSC-SOT-23-3-318-08_V 124.15,-121.7 r90 top
Q2 "PMBFJ111,215" NXP-TO-236AB-3_V 124.05,-129.1 r0 top
Q3 "PMBFJ111,215" NXP-TO-236AB-3_V 127.8,-129.1 r0 top
R1_X "11 kOhms" "RES 0603_1608" 82,-92 r0 top (schematic designator R1)
R1_Y "11 kOhms" "RES 0603_1608" 104.25,-92 r0 top (schematic designator R1)
R2_X "820 Ohms" "RES 0603_1608" 82,-93.5 r0 top (schematic designator R2)